# KiCad board PC110.kicad_pcb (continued)
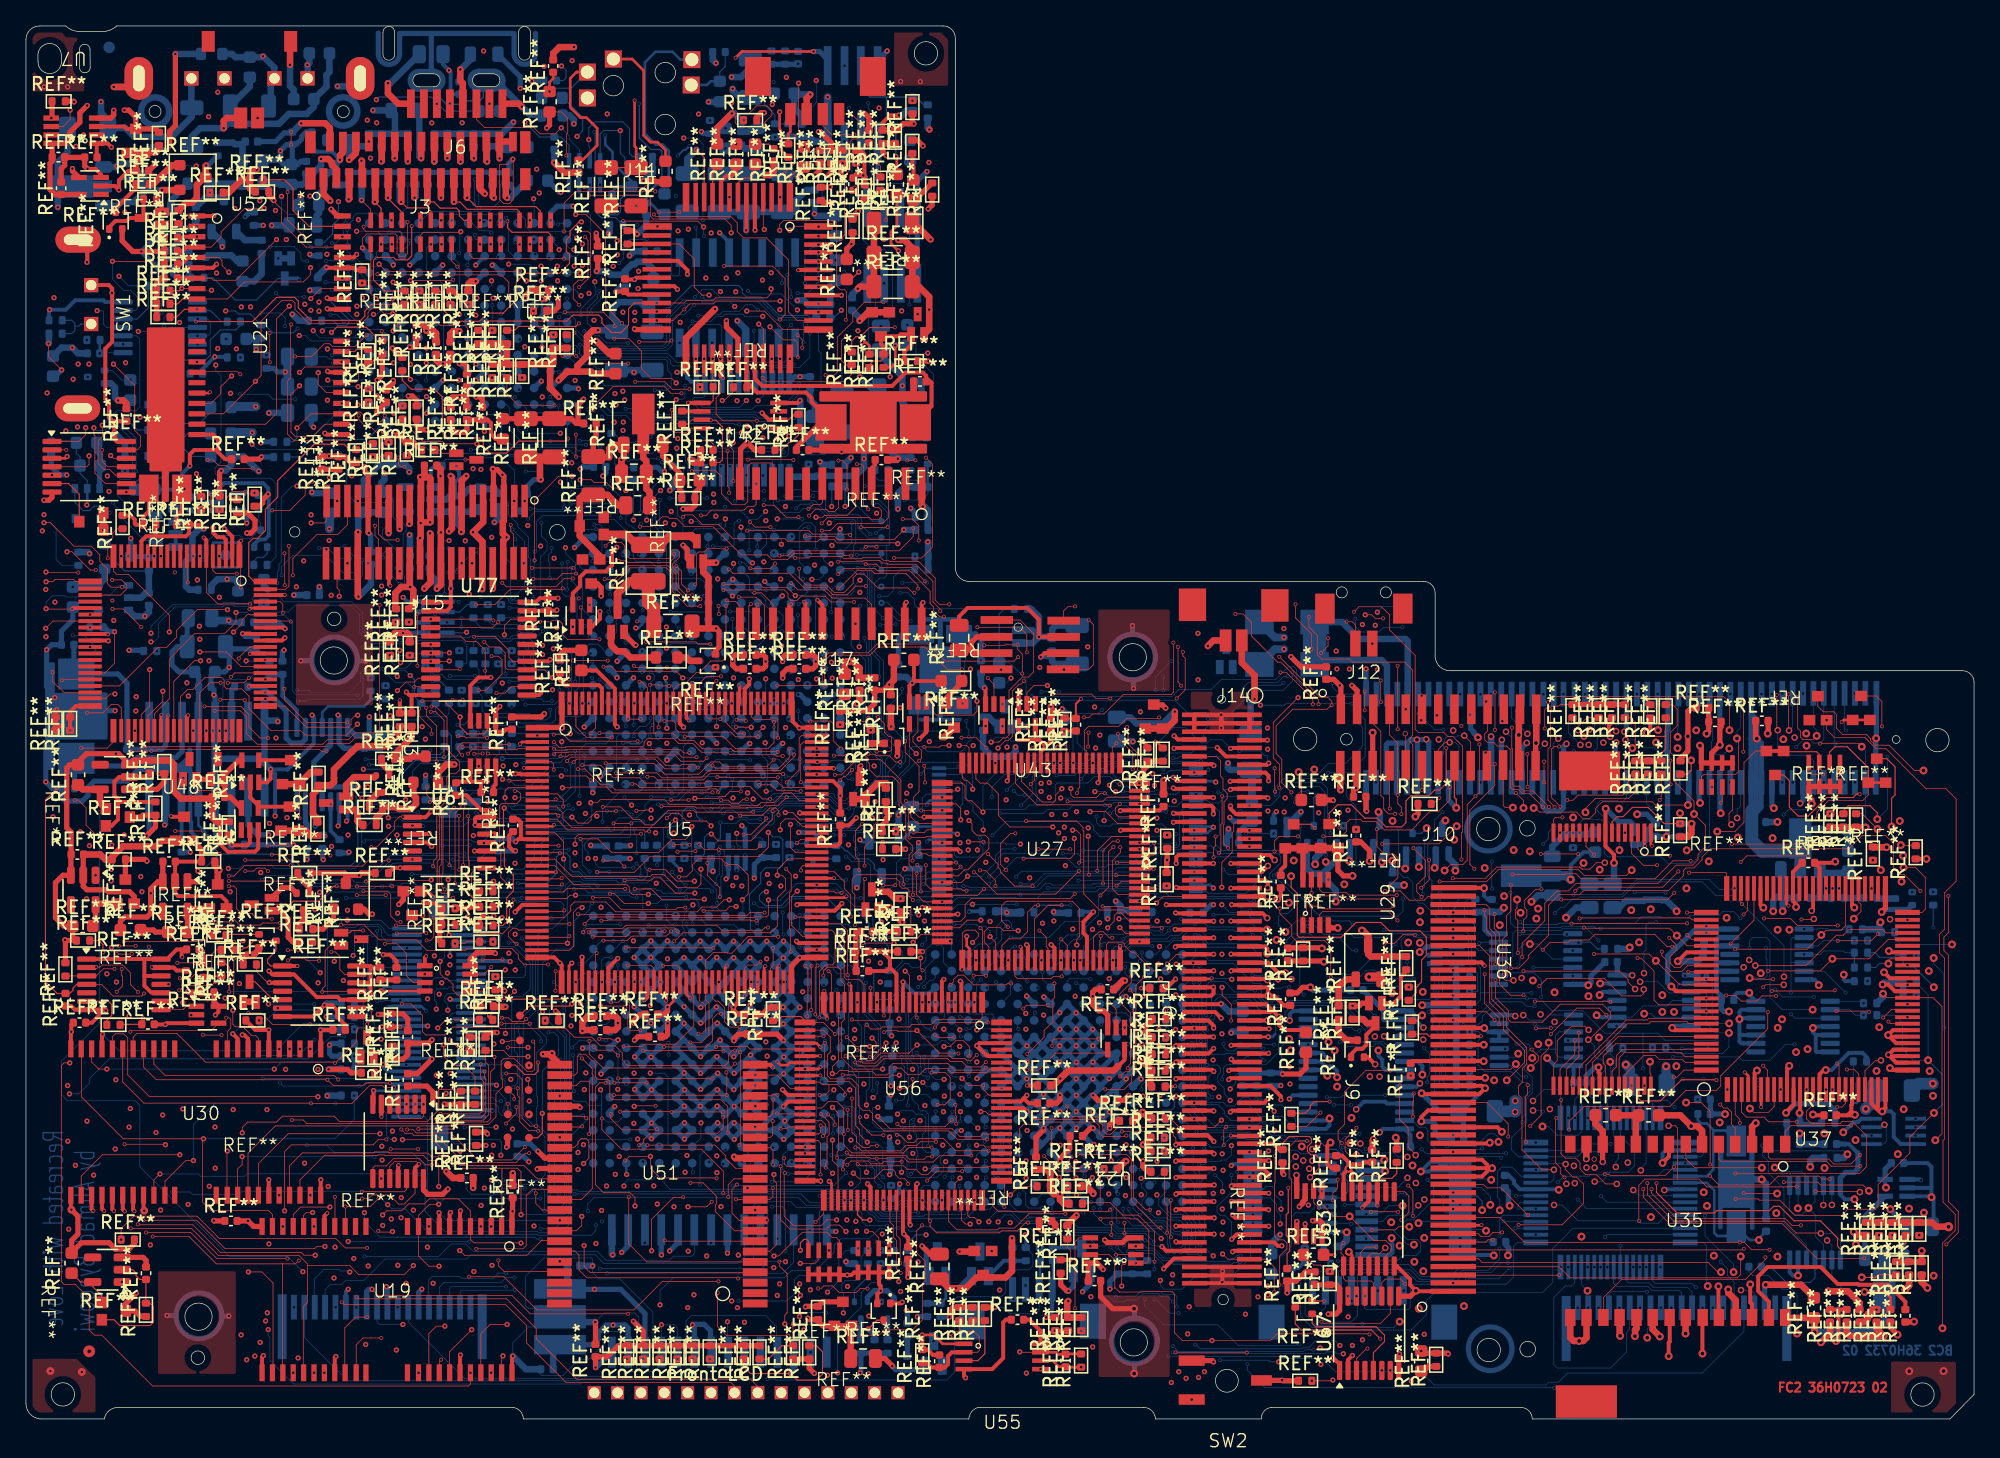
[diagram p0: board, top side]
## Routing (per net, layer and track width the routed paths; a pad name or vN(x,y) marks a point on that pad's centre or on a via; arc(x,y) is an arc through that point) (continued)
  BC2 w0.08: v3(112.16,16.09) 112.16,16.79 111.77,17.19 U14.5
KB_RESET#: length 228.2
  FC2 w0.05: v2(40.21,35.02) 38.36,35.02 37.92,35.46 37.92,35.77 37.43,36.26 33.99,36.26 33.82,36.09 30.9,36.09 30.07,36.92 27.21,36.92 26.05,38.08 v2(24.27,38.08) ; v2(103.33,5.42) 103.25,5.42 102.48,4.66 U67.3 ; U53.4 103.44,12.58 103.59,12.73 104.25,12.73 v5(104.7,13.18) ; v2(46.16,31.76) 46.1,31.82 v1(44.24,31.82) ; v2(104.1,16.45) 104.09,16.46
  FC2 w0.08: v2(21.08,46.29) 21.08,46.3 REF**#256.1 21.08,48.99
  FC2 w0.3: 104.09,16.46 U53.10
  FC2 w0.5: REF**#256.1 REF**#256.3 ; REF**#234.2 21.94,49.85 21.08,48.99
  FC1 w0.05: v2(21.08,46.29) 21.08,43.86 20.11,42.89 20.11,39.96 20.93,39.14 20.93,39.1 21.95,38.08 v2(24.27,38.08) ; v1(88.32,11.11) 87.16,11.11 86.26,12.01 86.26,14.27 85.7,14.83 80.46,14.83 79.44,15.85 69.79,15.85 69.05,16.59 v2(69.05,16.86) 69.05,17.06 69.8,17.81 69.8,19.67 68.72,20.75 68.72,22.17 68.29,22.6 68.29,23.67 67.83,24.13 67.83,26.75 67.49,27.09 67.49,29.65 67.25,29.89 v1(67.25,30.82) ; v2(104.1,16.45) 104.1,16.05 104.24,15.91 104.24,13.71 104.7,13.25 v5(104.7,13.18) 104.7,7.2 103.33,5.83 v2(103.33,5.42) ; v1(44.24,31.82) 44.24,33.05 43.1,34.19 40.46,34.19 40.21,34.44 v2(40.21,35.02) ; v2(46.16,31.76) 46.16,32.98 v2(46.87,33.69)
  IC3 w0.05: v3(130.01,12.58) 130.01,12.33 128.43,10.75 107.18,10.75 104.75,13.18 v5(104.7,13.18) 104.54,13.18 103.1,11.74 100.91,11.74 95.95,6.78 90.4,6.78 88.93,8.25 88.93,10.89 88.71,11.11 v1(88.32,11.11) ; v1(67.25,30.82) 62.91,30.82 62.73,31 45.06,31 v1(44.24,31.82)
  BC1 w0.05: v11(129.22,21.96) 129.22,24.18 v11(128.76,24.63) ; v3(130.01,12.58) 129.11,12.58 128.3,13.39 128.3,19.82 127.92,20.2 v11(127.8,20.2) ; v11(65.89,40.85) 65.88,40.85 65.48,40.45 65.48,39.13 65.29,38.94 65.29,37.57 66.68,36.18 v11(66.68,32.64) ; v11(58.92,55) 58.92,54.14 59.37,53.69 59.79,53.69 60.96,52.52 63.2,52.52 63.48,52.24 64.11,52.24 64.68,52.81 67.9,52.81 68.44,52.27 68.44,52.22 68.64,52.02 68.69,52.02 70.1,50.61 70.1,44.41 69.63,43.94 v11(68.26,43.94)
  BC2 w0.05: v11(66.68,32.64) 67.34,32.64 67.5,32.48 67.5,31.59 67.25,31.34 v1(67.25,30.82) ; v11(129.22,21.96) 129.22,20.42 129,20.2 v11(127.8,20.2) ; v11(65.89,40.85) 66.58,40.85 67.06,41.33 67.06,42.86 67.41,43.21 68.04,43.21 68.26,43.43 v11(68.26,43.94)
KB_RXD: length 33.7
  IC4 w0.05: v3(106.94,12.11) 118.78,12.11 123.17,16.5 123.17,19.55 v5(123.38,19.76)
  BC1 w0.05: v5(123.38,19.76) 123.31,19.83 123.31,23.19 v11(123.3,23.2) ; v11(102.09,15.02) 102.25,14.86 102.25,13.29 103.43,12.11 v3(106.94,12.11)
  BC2 w0.05: U8.9 102.03,15.09 v11(102.09,15.02)
KB_SCLK: length 162.2
  FC2 w0.05: v1(32.61,58.41) 32.59,58.39 v2(31.18,58.39)
  FC1 w0.05: v2(31.18,58.39) 29.38,58.39 29.02,58.74 28.14,58.74 v2(28.03,58.85)
  IC1 w0.05: 89.56,20.24 89.37,20.43 84.4,20.43 84.11,20.14 84.11,19.83 83.78,19.5 79.47,19.5 78.25,20.71 72.9,20.71 69.9,23.71 68.99,23.71 ; 89.56,20.24 89.53,20.27 ; 89.56,20.24 90.03,20.24 90.2,20.07 92.28,20.07 92.4,20.19 93.24,20.19 93.97,19.46 93.97,18.98 94.6,18.35 97.17,18.35 97.74,17.78 104.88,17.78 106.05,18.95 106.91,18.95 107.28,18.58 108.39,18.58 108.7,18.9 111.05,18.9 ; 111.05,18.9 111.02,18.9 ; 111.05,18.9 116.03,18.9 116.83,19.7 117.82,19.7 118.46,19.06 119.71,19.06 119.77,19 121.9,19 122.32,19.42 v5(122.46,19.42) ; v1(27.41,21.01) 30.58,21.01 32.62,23.05 44.56,23.05 47.8,19.81 48.48,19.81 49.69,21.02 58.6,21.02 60.22,22.64 66.08,22.64 66.48,23.04 66.48,23.64 66.85,24.01 67.73,24.01 68.03,23.71 68.99,23.71 ; 68.99,23.71 68.97,23.71
  IC2 w0.05: v1(27.41,21.01) 26.76,21.01 26.4,21.38 26.4,25.47 26.69,25.76 30.14,25.76 32.79,28.41 32.79,30.18 32.12,30.85 32.12,31.85 31.99,31.98 31.52,31.98 31.41,31.87 30.92,31.87 30.58,32.21 30.58,36.58 31.98,37.98 34.28,37.98 34.66,38.36 34.66,39.06 33.61,40.11 33.61,53 32.73,53.88 32.73,58.29 v1(32.61,58.41)
  BC2 w0.05: v5(122.46,19.42) 122.46,19.84 122.67,20.05 122.67,21.4 122.3,21.77 U31.9
KB_SCRLED#: length 100.5
  FC2 w0.2: U5.53 49.36,32.28 v2(49.31,32.23)
  FC1 w0.05: v2(49.31,32.23) 49,31.92 49,29.9 49.65,29.25 49.65,24.55 49.45,24.35 49.45,23.31 49.63,23.13 49.63,17.19 49.91,16.91 v1(49.91,16.35)
  IC3 w0.05: v1(49.91,16.35) 50.97,17.41 73.58,17.41 75.27,19.1 89.39,19.1 90.29,20 92.38,20 92.64,20.26 93.27,20.26 95.19,18.34 96.06,18.34 96.32,18.08 96.99,18.08 97.33,17.74 107.67,17.74 107.91,17.98 115.03,17.98 117.22,15.79 121.95,15.79 v5(123.8,17.64)
  BC2 w0.05: 127.79,17.2 124.24,17.2 v5(123.8,17.64)
KB_SPKDN: length 132.9
  FC2 w0.05: v2(63.28,23.83) 63.3,23.81 v2(63.3,22.26) ; v2(61.22,22.6) 61.22,22.12 61.06,21.96 U56.43
  FC1 w0.05: v2(63.28,23.83) 63.63,23.83 64.54,24.74 v1(64.54,25.81) ; v2(61.22,22.6) 61.9,22.6 62.24,22.26 v2(63.3,22.26)
  IC2 w0.05: v1(64.54,25.81) 65.27,25.81 66.57,24.51 69.21,24.51 70.05,25.35 71,25.35 71.55,24.8 71.55,23.57 71.94,23.18 79.61,23.18 83.34,19.45 88.5,19.45 89.63,18.32 89.63,15.3 91.59,13.34 93.2,13.34 94.05,14.19 94.05,14.43 95.25,15.63 96.13,15.63 v1(96.67,16.17)
  IC4 w0.05: v1(63.74,52.68) 63.14,52.68 62.1,51.64 62.1,42.28 64.99,39.39 64.99,36.35 65.73,35.61 66.24,35.61 66.42,35.43 66.42,33.3 64.51,31.39 64.51,25.84 v1(64.54,25.81)
  BC1 w0.05: v11(97.82,6.85) 98.36,6.85 98.88,7.37 98.88,13.45 98.53,13.8 98,13.8 97.15,14.65 97.15,15.69 v1(96.67,16.17) ; 64.55,25.82 v1(64.54,25.81)
  BC2 w0.05: U31.30 119.17,14.7 117.6,13.13 117.6,10.53 116.83,9.76 108.54,9.76 107.85,9.07 107.85,8.01 106.69,6.85 v11(97.82,6.85) ; v1(96.67,16.17) 96.67,16.82 96.18,17.31 96.18,17.73 96.01,17.9 95.5,17.9 95.29,17.69 U8.16 ; 62.72,53.99 63.24,53.47 63.25,53.47 63.25,53.17 v1(63.74,52.68)
KB_SPKUP: length 229.5
  FC2 w0.05: v2(58.45,18.96) 58.4,18.91 58.4,15.63 59.14,14.89 61.24,14.89 61.69,15.34 v1(62.44,15.34) ; v2(61.2,18.84) 61.2,21.27 61.01,21.46 U56.44
  FC1 w0.05: v2(58.45,18.96) 61.08,18.96 v2(61.2,18.84)
  IC1 w0.05: v1(74.88,15.19) 74.88,15.25 74.27,15.86 74.2,15.86 74.19,15.87 62.97,15.87 v1(62.44,15.34)
  IC3 w0.05: v1(62.44,15.34) 60.61,15.34 60.43,15.16 47,15.16 44.34,12.5 37.53,12.5 36.44,11.41 35.6,11.41 34.61,12.4 33.29,12.4 32.83,12.86 23.17,12.86 22.18,11.87 21.66,11.87 21.66,11.68 v1(21.33,11.35)
  BC1 w0.05: v11(93.5,12.08) 93.5,4.8 v11(94.08,4.22) ; v11(5.67,46.77) 7.51,46.77 9.08,48.34 9.08,57.71 8.84,57.95 8.84,64.03 11.03,66.22 v11(13.63,66.22) ; v11(117.72,2.38) 117.72,12.47 118.6,13.35 122.19,13.35 122.55,13.71 126.31,13.71 v11(127.8,15.2)
  BC2 w0.05: v11(93.5,12.08) 93.04,12.08 92.89,11.93 88.33,11.93 88.04,12.22 87.56,12.22 86.81,12.97 85.58,12.97 84.62,13.93 83.77,13.93 83.34,14.36 80.34,14.36 79.64,15.06 76.55,15.06 75.89,15.72 75.41,15.72 v1(74.88,15.19) ; v11(117.72,2.38) 117.68,2.42 95.42,2.42 94.08,3.76 v11(94.08,4.22) ; v11(5.67,46.77) 5.67,30.51 2.75,27.59 2.75,24.97 3.2,24.52 8.41,24.52 8.77,24.16 8.77,19.43 15.69,12.51 20.17,12.51 v1(21.33,11.35) ; REF**#796.1 17.93,69.18 18.08,69.03 REF**#613.3 17.94,68.49 17.28,67.83 16.7,67.83 16.44,68.09 14.44,68.09 13.63,67.28 v11(13.63,66.22)
KB_SRDY#: length 136.1
  FC2 w0.05: v1(32.62,59.04) 32.62,59.04 v2(31.18,59.04)
  FC1 w0.05: v2(29.56,58.85) 29.95,58.85 30.14,59.04 v2(31.18,59.04)
  IC1 w0.05: 58.57,36.44 58.68,36.55 ; 58.57,36.44 58.88,36.75 58.88,37.03 58.94,37.09 58.94,41.01 59.16,41.23 60.58,41.23 64.63,37.19 66.13,37.19 66.61,37.67 69.06,37.67 72.03,34.7 88.89,34.7 89.25,35.06 95.15,35.06 95.96,34.25 95.96,33.74 96.18,33.52 97.95,33.52 98.91,32.56 103.44,32.56 105.39,30.61 105.39,28.95 106.05,28.29 109.16,28.29 112.12,31.25 113.85,31.25 114.35,31.75 117.29,31.75 118.99,30.05 118.99,29.44 119.67,28.76 120.93,28.76 121.16,28.99 v3(121.16,29.4) ; 58.57,36.44 44.16,36.44 43.21,37.38 38.77,37.38 38.07,38.08 34.71,38.08 34.1,38.69 v1(33.99,38.69)
  IC2 w0.05: v1(32.62,59.04) 32.06,59.04 31.67,58.65 31.67,57.67 32.06,57.28 32.06,50.51 33.21,49.36 33.21,39.47 v1(33.99,38.69)
  BC2 w0.05: 121.79,23.2 121.79,24.61 122.21,25.03 122.21,27.03 122.42,27.24 122.42,27.74 122.03,28.13 121.32,28.13 121.16,28.29 v3(121.16,29.4)
KB_TP139: length 57.5
  BC1 w0.05: v11(121.63,14.03) 120.71,14.03 120.25,14.49 118.55,14.49 117.21,13.15 117.21,3.98 116.15,2.92 v1(106.71,2.92) 106.25,2.46 95.94,2.46 94.41,3.99 94.41,8.99 93.92,9.48 93.92,15.07 94.18,15.33 94.18,16.06 v11(94.51,16.39)
  BC2 w0.05: v11(121.63,14.03) 121.8,14.2 U31.31
KB_TXD: length 19.3
  BC1 w0.05: v11(110.47,16.54) 110.47,17.14 111.33,18 117.39,18 117.63,18.24 v11(117.99,18.24)
  BC2 w0.05: U31.10 122.8,21.83 123.89,20.74 123.88,20.73 123.88,19.49 123.41,19.02 121.77,19.02 121.76,19.01 121.72,19.01 121.52,18.81 120.51,18.81 120.41,18.71 118.46,18.71 v11(117.99,18.24) ; 110.53,16.62 110.47,16.56 v11(110.47,16.54)
KB_Xin: length 9.5
  BC2 w0.2: 131.75,21.41 130.93,22.23 130.01,22.23 ; 130.01,22.23 129.96,22.18 129.96,19.21 129.45,18.7 U31.22 ; 130.01,22.23 129.47,22.77 129.03,22.77 128.78,23.03 128.78,23.5
KB_Xout: length 10.9
  BC2 w0.2: U31.23 129.46,18.2 130.04,17.62 130.04,14.34 130.28,14.1 130.98,14.1 130.99,14.11 131.05,14.11 131.75,14.81 132.77,13.79 v3(133.48,13.79) 133.48,13.92 134.03,14.47
KBCCS#: length 100.5
  FC1 w0.05: 66,16.82 66.79,16.03 66.79,13.77 67,13.56 67,12.82 64.47,10.29 64.45,10.29 64.45,7.76 63.55,6.86 v1(59.92,6.86)
  IC2 w0.05: v5(120.2,19.37) 120.2,17.82 113.19,10.81 94.67,10.81 93.63,9.77 93.63,8.92 92.7,7.99 91.42,7.99 89.81,9.6 86.86,9.6 86.36,10.1 86.36,13.72 85.53,14.55 80.84,14.55 79.47,15.92 61.79,15.92 61.5,15.63 61.5,10.03 61.41,9.94 61.41,9.57 61.48,9.5 61.48,7.6 60.74,6.86 v1(59.92,6.86)
  BC1 w0.05: v5(120.2,19.37) 119.83,19.37 119.68,19.52 119.68,20.3 120.8,21.42 v11(120.8,23.2)
  vias: v2(66.05,16.86)
LA17: length 116
  BC1 w0.05: 41.8,47.64 41.81,47.65 ; v11(21.66,21.09) 21.63,21.12 v11(21.63,42.08) ; v11(37.54,47.3) 37.54,46.45 36.77,45.68 36.35,45.68 35.88,45.21 35.88,44.07 v11(35.58,43.77) ; v11(73.22,17.35) v11(70.68,17.35)
  BC1 w0.1: v11(46.01,52.1) 46,52.1 41.8,47.9 v11(41.8,47.3)
  BC2 w0.05: v11(70.68,17.35) 70.68,16.59 70.28,16.19 69.81,16.19 68.99,17.01 67.54,17.01 66.9,16.37 66.21,16.37 65.06,17.52 42.57,17.52 42.44,17.65 42.11,17.65 41.96,17.5 41.96,15.1 41.2,14.34 39.51,14.34 39.4,14.45 32.27,14.45 30.74,15.98 30.74,19.53 29.74,20.53 23.75,20.53 23.19,21.09 v11(21.66,21.09) ; v11(73.22,17.35) 73.23,17.35 U25.A4 ; v11(37.54,47.3) v11(41.8,47.3) ; v11(21.63,42.08) 24.61,42.08 25.37,41.32 25.98,41.32 28.08,43.42 33.28,43.42 33.41,43.29 35.1,43.29 v11(35.58,43.77)
  BC2 w0.1: v11(46.01,52.1) 46.51,52.1 46.58,52.03 47.28,52.03 47.48,52.23 47.48,52.72
LA18: length 60.6
  IC2 w0.05: 49.17,38.02 49.15,38 ; 49.17,38.02 49.4,38.25 49.4,41.95 48.5,42.85 v1(48.5,45.17) ; 49.17,38.02 48.85,37.7 48.85,22.33 50.07,21.11 55.48,21.11 55.65,20.94 66.72,20.94 66.74,20.96 66.77,20.96 67.15,21.34
  BC1 w0.05: v11(47.08,50.78) 47.08,45.92 47.83,45.17 v1(48.5,45.17) ; 67.15,21.34 67.15,20.3 67.52,19.93 69.49,19.93 69.85,20.29 74.77,20.29 v11(75.18,19.88)
  BC2 w0.05: v11(47.08,50.78) 46.47,50.78 46.21,50.52 46.21,50.18 ; v11(75.18,19.88) 75.11,19.81 75.11,19.3
LA19: length 71.6
  BC1 w0.05: v11(43.27,16.03) 43.24,16.06 v11(41.25,16.06) ; v11(43.61,39.75) 43.36,40 43.36,41.56 v11(43.97,42.17) ; v11(44.93,42.16) 45.23,42.46 45.23,45.63 45.47,45.87 45.47,48.35 v11(46.01,48.89)
  BC2 w0.05: v11(44.93,42.16) 44.92,42.17 v11(43.97,42.17) ; v11(43.61,39.75) 43.43,39.57 43.43,39.29 42.99,38.85 42.71,38.85 42.23,38.37 42.23,36.48 41.96,36.21 40.86,36.21 39.77,35.12 39.77,32.07 40.32,31.52 40.32,30.59 41.47,29.44 41.47,16.6 41.25,16.38 v11(41.25,16.06) ; U25.A3 72.58,15.99 72.34,15.75 69.26,15.75 69.14,15.63 65.9,15.63 65.36,16.17 65.26,16.17 64.65,16.78 62.2,16.78 61.89,16.47 60.09,16.47 59.51,17.05 43.74,17.05 43.27,16.58 v11(43.27,16.03)
LA20: length 61
  IC2 w0.05: v1(48.14,46.3) 48.14,45.51 48.01,45.38 48.01,42.84 49.15,41.7 49.15,38.58 48.69,38.12 48.69,22.16 49.94,20.91 55.27,20.91 55.43,20.75 67.49,20.75 67.89,21.15 70.56,21.15 v1(70.61,21.1)
  BC1 w0.05: v1(48.14,46.3) 47.83,46.3 47.75,46.38 47.75,50.66 v11(47.87,50.78) ; v11(76.47,22.09) 75.71,22.09 75.39,21.77 75.39,21.47 75.57,21.29 75.57,20.99 75.12,20.54 71.17,20.54 v1(70.61,21.1)
  BC2 w0.05: v11(76.47,22.09) 76.47,21.93 76.38,21.84 ; U2.D14 47.48,51.17 v11(47.87,50.78)
LA21: length 107.8
  BC1 w0.05: v11(61.12,17.21) 61.12,15.51 61.24,15.39 61.24,5.14 60.91,4.81 60.12,4.81 57.01,7.92 38.3,7.92 36.63,9.59 36.63,18.26 v11(36.75,18.38) ; v11(38.19,37.03) 38.19,39.22 37.85,39.56 37.7,39.56 37.48,39.78 v11(37.48,42) ; v11(46.19,45.52) 46.19,47.47 46.89,48.17 46.89,50.12 46.78,50.23 46.78,50.94 46.96,51.12 47.86,51.12 48.67,51.93 v11(48.67,52.48)
  BC2 w0.05: 71.3,16.74 70.52,15.95 69.64,15.95 68.76,16.83 67.61,16.83 66.97,16.19 66.15,16.19 64.98,17.36 61.45,17.36 61.3,17.21 v11(61.12,17.21) ; v11(36.75,18.38) 39.55,18.38 39.98,18.81 39.98,21.73 38.33,23.38 38.33,25.07 38.24,25.16 38.24,28.97 38.3,29.03 38.3,30.48 39.24,31.42 39.24,35.98 v11(38.19,37.03) ; v11(37.48,42) 38.83,42 39.69,42.86 39.69,44.33 40.44,45.08 45.75,45.08 v11(46.19,45.52) ; 48.75,52.72 48.67,52.64 v11(48.67,52.48)
LA22: length 82.8
  IC2 w0.05: v1(43.29,43.19) 43.29,42.66 44.76,41.19 44.76,29.28 43.89,28.41 43.89,18.05 46.89,15.05 49.06,15.05 50.29,13.82 50.29,7.55 51.12,6.72 56.27,6.72 57.87,8.32 v1(57.87,9.52)
  IC3 w0.05: v1(57.87,9.52) 58.27,9.12 64.44,9.12 64.92,8.64 v1(64.92,7.93)
  BC1 w0.05: v1(64.92,7.93) 65.94,7.93 66.45,8.44 66.45,12.09 66.6,12.24 66.6,14.49 67.81,15.7 68.05,15.7 69.71,17.36 v11(70.08,17.36) ; v11(47.52,46.05) 47.39,46.18 47.39,49.43 v11(47.47,49.51)
  BC2 w0.05: v11(47.52,46.05) 46.84,46.05 46.58,45.79 46.58,44.93 46.47,44.82 43.54,44.82 43.03,44.31 43.03,43.93 43.29,43.67 v1(43.29,43.19) ; v11(47.47,49.51) 47.48,49.52 47.48,50.18 ; v11(70.08,17.36) 70.04,17.32 U25.A1
LA23: length 85.8
  BC1 w0.05: v11(42.26,17.34) 41.04,17.34 v11(41.03,17.35) ; v11(68.7,15.9) 69.51,16.71 73.75,16.71 74.25,17.21 74.25,18.84 74.63,19.22 v11(75.8,19.22) ; 40.66,25.59 v11(40.75,25.59) 39.32,25.59 39.22,25.49 37.9,25.49 37.83,25.56 v11(37.53,25.56) ; v11(44.41,46.02) 43.74,45.35 42.58,45.35 41.89,44.66 41.89,43.98 v11(41.79,43.88) ; v11(37.18,36.71) 37.18,41.53 v11(37.14,41.57)
  BC2 w0.05: v11(42.26,17.34) 59.71,17.34 60.39,16.66 61.82,16.66 62.09,16.93 64.79,16.93 65.4,16.32 65.46,16.32 65.99,15.79 68.11,15.79 68.22,15.9 v11(68.7,15.9) ; v11(40.75,25.59) 40.72,25.56 40.72,17.66 v11(41.03,17.35) ; v11(37.53,25.56) 37.87,25.9 37.87,28.1 37.62,28.35 37.62,30.35 39.04,31.77 39.04,35.39 37.72,36.71 v11(37.18,36.71) ; v11(41.79,43.88) 40.75,43.88 40.25,43.38 40.25,42.4 39.43,41.57 v11(37.14,41.57) ; v11(75.8,19.22) 75.82,19.24 75.82,21.13 75.11,21.84 ; v11(44.41,46.02) 44.41,46.97 45.77,48.33 47.2,48.33 47.21,48.34 47.26,48.34 47.48,48.56 47.48,48.91
LCD_24: length 11.8
  FC2 w0.5: v1(34.51,97.15) 34.46,97.2 J3.24
  FC1 w0.05: v1(34.51,97.15) 34.77,96.89 34.77,93.99 35.09,93.67 36.78,93.67 37.42,93.03 39.09,93.03 39.75,92.37 v2(40.42,92.37)
  BC2 w0.05: v1(34.51,97.15) 34.5,97.16
  BC2 w0.5: 34.5,97.16 REF**#475.1
LCD_26: length 4.3
  FC2 w0.5: J3.26 35.46,96.96 v1(35.52,96.9)
  BC2 w0.5: v1(35.52,96.9) 35.52,98.07 REF**#525.1 37.02,98.08 REF**#495.2
LCD_B0: length 8.3
  FC2 w0.05: v1(25.85,93.92) 26.56,93.22 REF**#84.4
  FC1 w0.05: v1(25.85,93.92) 25.85,95.14 25.28,95.71 25.28,97.31 v2(26.41,98.44)
  BC2 w0.05: v1(25.85,93.92) 25.86,93.93
  BC2 w0.5: 25.86,93.93 REF**#697.1
LCD_B1: length 4.8
  FC2 w0.08: v1(26.87,93.79) 27.36,93.31 REF**#84.3
  FC2 w0.5: v1(26.87,93.79) 26.91,93.83 J3.9
  BC2 w0.5: v1(26.87,93.79) 26.87,95.1 REF**#849.1
LCD_B2: length 7.6
  FC2 w0.5: J3.10 27.41,96.96 v1(27.36,96.91)
  FC1 w0.05: v2(28.16,92.37) 27.36,93.17 v1(27.36,96.91)
  BC2 w0.05: v1(27.36,96.91) 27.37,96.92
  BC2 w0.5: 27.37,96.92 REF**#645.1
LCD_B3: length 4.7
  FC2 w0.08: v1(27.89,94.11) 27.89,94.06 28.96,93 28.96,92.37
  FC2 w0.5: J3.11 27.91,94.13 v1(27.89,94.11)
  BC2 w0.5: v1(27.89,94.11) 27.89,95.09 REF**#803.1
LCD_B4: length 7.2
  FC2 w0.08: REF**#255.4 33.72,92.37 33.38,92.71 33.38,93.09 33.16,93.31 31.91,93.31 31.43,93.79 v1(30.95,93.79)
  FC2 w0.5: v1(30.95,93.79) 30.91,93.83 J3.17
  BC2 w0.5: v1(30.95,93.79) REF**#781.1
LCD_DCLK: length 4.5
  FC2 w0.5: J3.29 36.96,94.21 v1(37.06,94.11)
  BC2 w0.08: 37.72,94.56 37.72,94.52
  BC2 w0.4: REF**#601.2 37.72,94.56
  BC2 w0.5: REF**#777.2 37.3,94.11 v1(37.06,94.11)
LCD_DE: length 9.9
  FC2 w0.5: J3.27 35.96,94.19 v1(36.04,94.11)
  BC1 w0.05: v1(36.04,94.11) 36.06,94.13 36.06,95.53 36.99,96.46 36.99,100.28 v11(36.48,100.79)
  BC2 w0.4: 35.9,95.06 35.9,94.25 v1(36.04,94.11)
LCD_EN: length 3.8
  FC2 w0.5: J3.5 24.91,94.05 v1(24.85,93.99)
  BC2 w0.5: REF**#764.1 24.29,95.07 24.33,95.11 REF**#632.1 v1(24.85,93.99)
LCD_G0: length 10
  FC2 w0.5: v1(31.45,96.9) 31.46,96.91 J3.18
  FC1 w0.05: v1(31.45,96.9) 31.45,93.76 32.11,93.1 33.03,93.1 33.5,92.63 34.71,92.63 v2(34.97,92.37)
  BC2 w0.05: v1(31.45,96.9) 31.46,96.91
  BC2 w0.5: 31.46,96.91 REF**#826.1
LCD_G1: length 7.4
  FC2 w0.5: v1(31.96,94.11) J3.19
  FC1 w0.05: v2(35.77,92.37) 35.16,92.98 33.49,92.98 33.11,93.36 32.14,93.36 31.96,93.54 v1(31.96,94.11)
  BC2 w0.05: v1(31.96,94.11) 31.95,94.12
  BC2 w0.5: 31.95,94.12 REF**#792.1
LCD_G2: length 9.8
  FC2 w0.5: v1(32.46,97.16) J3.20
  FC1 w0.05: v2(36.57,92.37) 36.57,92.49 35.82,93.23 33.9,93.23 33.45,93.68 33.45,96.17 v1(32.46,97.16)
  BC2 w0.05: v1(32.46,97.16) 32.48,97.18
  BC2 w0.5: 32.48,97.18 REF**#731.1
LCD_G3: length 8.6
  FC2 w0.5: v1(28.4,97.15) 28.41,97.16 J3.12
  FC1 w0.05: v2(30.39,92.37) 30.18,92.58 29.73,92.58 29.44,92.87 28.65,92.87 28.4,93.12 v1(28.4,97.15)
  BC2 w0.05: v1(28.4,97.15) 28.41,97.16
  BC2 w0.5: 28.41,97.16 REF**#544.1
LCD_G4: length 6.5
  FC2 w0.08: v1(28.91,93.79) 29.37,93.33 30.93,93.33 31.19,93.08 REF**#312.3
  FC2 w0.5: v1(28.91,93.79) J3.13
  BC2 w0.5: REF**#456.1 28.79,95.1 28.79,93.91 v1(28.91,93.79)
LCD_NC: length 4.7
  FC2 w0.5: v1(24.89,97.03) 25.41,97.55 J3.6
  BC2 w0.5: 24.89,98.07 25.16,98.07 25.17,98.08 REF**#696.1 ; 24.89,98.07 24.89,98.48 REF**#547.1 ; 24.89,98.07 v1(24.89,97.03)
LCD_O_24: length 22.3
  FC2 w0.05: v2(29.39,92.25) 29.39,89.81 29.18,89.6 28.8,89.6 28.58,89.82 28.58,91.18 28.44,91.32 26.26,91.32 25.92,90.98 v1(25.92,90.25)
  FC2 w0.08: REF**#390.8 40.42,91.26 40.22,91.45 37.44,91.45 37.09,91.8 v2(37.09,92.29)
  FC1 w0.05: v2(29.39,92.25) 29.9,92.25 30.29,91.86 32.77,91.86 33.16,92.25 34.57,92.25 34.87,91.95 36.75,91.95 v2(37.09,92.29)
  BC2 w0.05: U23.A3 26.44,89.73
  BC2 w0.4: 26.44,89.73 v1(25.92,90.25)
LCD_O_B0: length 13
  FC2 w0.05: v1(26.96,86.34) 26.56,86.74 26.56,90.52 REF**#84.5
  BC1 w0.05: v1(26.96,86.34) 26.96,85.89 26.34,85.27 26.34,83.49 26.84,82.99 29.69,82.99 29.85,83.15 31.22,83.15 v11(31.47,83.4)
  BC2 w0.05: v11(31.47,83.4) 31.48,83.4 U23.E8
LCD_O_B1: length 17.9
  FC1 w0.05: v2(27.36,90.52) 27.08,90.52 25.79,89.23 21.59,89.23 21.05,88.69 v1(21.05,83.49)
  BC2 w0.05: v1(21.05,83.49) 21.54,83.49 21.96,83.07 25.66,83.07 25.95,83.36 U23.A8
LCD_O_B2: length 17.8
  FC1 w0.05: v2(28.18,90.52) 27.77,90.11 27.09,90.11 25.2,88.22 22.87,88.22 22.57,87.92 v1(22.57,86.07)
  BC1 w0.05: v11(23.07,87.6) 22.72,87.6 22.57,87.45 v1(22.57,86.07) ; v11(27.78,84.6) 27.78,87.01 27.19,87.6 v11(24.83,87.6)
  BC2 w0.05: v11(24.83,87.6) v11(23.07,87.6)
LCD_O_B3: length 28.5
  FC2 w0.05: v2(26.01,91.88) 26.01,91.69 26.17,91.53 28.79,91.53 28.96,91.37 28.96,90.52
  FC1 w0.05: v2(26.01,91.88) 22.04,91.88 20.79,93.13 v1(19.22,93.13)
  BC1 w0.05: v11(23.12,89.23) 21.67,89.23 v11(21.66,89.22) ; v11(24.73,86.7) 25.35,87.32 v11(25.35,87.33) ; v1(19.22,93.13) 19.76,92.59 19.76,91.99 18.8,91.03 v11(18.8,90.34)
  BC2 w0.05: U23.A7 25.49,84.53 24.73,85.29 v11(24.73,86.7) ; v11(18.8,90.34) 20.67,90.34 21.18,89.83 21.18,89.39 21.35,89.22 v11(21.66,89.22) ; v11(25.35,87.33) 25.57,87.55 25.57,89 25.32,89.25 23.14,89.25 v11(23.12,89.23)
LCD_O_B4: length 26.8
  FC2 w0.05: v2(41.45,89.42) 34.45,89.42 34.17,89.71 REF**#255.5
  FC1 w0.05: v2(41.45,89.42) 41.48,89.39 43.1,89.39 43.35,89.14 43.35,88.1 v1(43.81,87.64)
  BC1 w0.05: v11(31.68,84.47) 35.08,84.47 36.32,85.71 37.21,85.71 37.74,85.18 42.02,85.18 42.12,85.08 v11(42.75,85.08)
  BC2 w0.05: v11(42.75,85.08) 42.75,85.55 43.89,86.69 43.89,87.21 43.81,87.29 v1(43.81,87.64)
LCD_O_G0: length 14.5
  FC1 w0.05: v2(34.97,90.52) 34.21,89.76 31.28,89.76 30.82,89.3 30.82,87 30.37,86.55 29.99,86.55 29.72,86.82 25.73,86.82 25.49,86.58 v1(25.49,85.75)
  BC2 w0.05: U23.A6 25.54,85.8 v1(25.49,85.75)
LCD_O_G1: length 13.7
  FC1 w0.05: v2(35.79,90.52) 34.62,89.35 31.63,89.35 31.18,88.9 31.18,86.89 30.47,86.18 29.44,86.18 28.97,85.71 27.35,85.71 27.35,85.7 v1(26.77,85.12)
  BC2 w0.05: U23.B6 27.03,85.12 v1(26.77,85.12)
LCD_O_G2: length 20.5
  FC1 w0.05: v2(36.57,90.52) 36.57,88.74 37.13,88.17 38.23,88.17 38.38,88.32 38.38,88.82 39.11,89.55 39.9,89.55 40.3,89.15 40.3,87.83 40.42,87.71 v1(40.95,87.71)
  BC1 w0.05: v1(40.95,87.71) 40.48,88.18 33.75,88.18 33.52,87.95 31.93,87.95 31.47,87.49 v11(31.47,86.39)
  BC2 w0.05: v11(31.47,86.39) 31.52,86.34 U23.E6
LCD_O_G3: length 15.5
  FC2 w0.05: v1(33.49,91.5) 33.44,91.45 30.61,91.45 30.39,91.23 REF**#312.5
  BC1 w0.05: v11(28.99,86.4) 28.45,86.94 28.18,86.94 27.78,87.34 27.78,89.18 28.44,89.84 v11(33.36,89.84)
  BC2 w0.05: v1(33.49,91.5) 33.42,91.43 33.42,89.9 v11(33.36,89.84) ; U23.C6 28.98,86.39 v11(28.99,86.4)
LCD_O_G4: length 15.3
  FC1 w0.05: v2(31.19,90.52) 29.41,90.52 29.19,90.74 28.79,90.74 28.06,91.47 26.04,91.47 25.01,90.44 23.3,90.44 23.16,90.3 23.16,89.77 v1(23.18,89.75)
  BC1 w0.05: v1(23.18,89.75) 23.58,89.35 v11(23.58,87.01)
  BC2 w0.05: U23.A5 23.64,87.07 v11(23.58,87.01)
LCD_O_R0: length 18.1
  FC1 w0.05: v2(32.01,90.52) 31.43,89.94 29.55,89.94 28.93,89.32 28.93,88.69 28.48,88.24 28.23,88.24 27.22,87.23 25.04,87.23 24.46,86.65 24.46,84.75 24.92,84.29 v1(24.92,83.73)
  BC1 w0.05: v11(27.01,87.02) 26.03,87.02 25.06,86.05 25.06,84.45 24.92,84.31 v1(24.92,83.73)
  BC2 w0.05: U23.B5 27.06,87.07 v11(27.01,87.02)
LCD_O_R1: length 11.2
  FC2 w0.05: REF**#312.8 32.79,89.25 v2(33.23,88.8)
  FC1 w0.05: v1(34.72,86.38) 34.09,87.01 34.09,87.94 v2(33.23,88.8)
  BC1 w0.05: v11(30.84,85.6) 31.35,85.6 32.33,84.62 33.91,84.62 34.22,84.93 34.22,85.85 34.72,86.35 v1(34.72,86.38)
  BC2 w0.05: v11(30.84,85.6) 30.64,85.8 U23.D6
LCD_O_R2: length 14.4
  FC2 w0.05: v2(38.05,88.48) 38,88.43 27.76,88.43 v1(27.2,88.99)
  FC1 w0.05: v2(38.05,88.48) 38.05,90.49 v2(38.02,90.52)
  BC2 w0.05: v1(27.2,88.99) 27.02,88.81 26.55,88.81 26.44,88.7 U23.A4
LCD_O_R3: length 15.3
  FC1 w0.05: v2(38.82,90.52) 38.48,90.85 35.58,90.85 35.3,90.57 35.3,90.31 34.54,89.55 31.46,89.55 30.99,89.08 30.99,86.97 30.4,86.38 29.15,86.38 29.1,86.33 v1(28.24,86.33)
  BC2 w0.05: U23.C5 28.51,87.07 28.24,86.8 v1(28.24,86.33)
LCD_O_R4: length 35.5
  FC1 w0.05: v2(39.64,90.52) 39.08,91.08 28.83,91.08 26.6,93.31 25.57,93.31 24.55,92.29 22.24,92.29 20.31,94.22 v1(19.68,94.22)
  BC1 w0.05: v11(23.13,90.32) 23.12,90.31 v11(21.99,90.31)
  BC2 w0.05: U23.B4 27.71,87.98 27.47,87.74 26.25,87.74 25.82,88.17 25.82,89.06 25.46,89.42 25.33,89.42 24.44,90.31 23.14,90.31 v11(23.13,90.32) ; v11(21.99,90.31) 21.34,90.96 21.34,92.62 21.12,92.84 20.16,92.84 19.68,93.32 v1(19.68,94.22)
LCD_R0: length 9.2
  FC2 w0.5: v1(29.41,96.91) J3.14
  FC1 w0.05: v2(31.98,92.37) 31.28,92.37 30.73,92.92 29.9,92.92 29.41,93.41 v1(29.41,96.91)
  BC2 w0.5: v1(29.41,96.91) REF**#784.1
LCD_R1: length 6.6
  FC2 w0.05: v1(29.93,94.11) 29.91,94.13
  FC2 w0.5: 29.91,94.13 J3.15
  FC1 w0.05: v1(29.93,94.11) 29.93,93.33 30.18,93.08 31.4,93.08 31.73,92.76 32.16,92.76 32.54,92.37 v2(32.79,92.37)
  BC2 w0.5: v1(29.93,94.11) 30.02,94.2 REF**#773.1
LCD_R2: length 9.2
  FC2 w0.05: v1(32.98,93.78) 32.96,93.8
  FC2 w0.08: REF**#390.4 38.02,93.04 37.83,93.22 33.99,93.22 33.43,93.78 v1(32.98,93.78)
  FC2 w0.5: 32.96,93.8 J3.21
  BC2 w0.05: v1(32.98,93.78) 32.99,93.79
  BC2 w0.5: 32.99,93.79 REF**#540.1
LCD_R3: length 11.2
  FC2 w0.5: 33.46,96.91 33.45,96.92 33.45,98.43 J3.22
  FC1 w0.05: v1(33.48,96.89) 34.41,95.96 34.41,93.86 34.8,93.47 36.56,93.47 37.66,92.37 v2(38.82,92.37)
  BC2 w0.05: v1(33.48,96.89) 33.49,96.9
  BC2 w0.5: 33.49,96.9 REF**#737.1
LCD_R4: length 9.3
  FC2 w0.08: v1(33.99,94.11) 34.68,93.43 39.28,93.43 39.62,93.09 REF**#390.2
  FC2 w0.5: v1(33.99,94.11) 33.96,94.14 J3.23
  BC2 w0.5: v1(33.99,94.11) REF**#660.1
LCD_VAA: length 8.2
  FC2 w0.4: 23.91,96.29 J3.3
  FC2 w0.5: v1(22.73,97.1) 23.28,97.1 23.57,96.81 23.57,96.63 23.91,96.29
  BC2 w0.5: v1(22.73,97.1) 22.73,96.6 22.08,95.95 REF**#518.1 21.58,95.39 21.32,95.13 REF**#598.1 19.6,95.13 19.52,95.2 REF**#751.1
LCD_VD3: length 7.3
  FC2 w0.05: v1(21.2,99.84) 21.21,99.85
  FC2 w0.5: 21.21,99.85 23.05,99.85 23.41,99.49 J3.2
  BC2 w0.05: 20.53,99.17 REF**#649.2
  BC2 w0.4: REF**#690.1 19.22,98.44 19.89,99.11 20.45,99.11 REF**#649.2
  BC2 w0.5: v1(21.2,99.84) 20.53,99.17
LCD_VDD: length 10.3
  FC2 w0.5: J3.4 24.41,97.6 24.19,97.38 v1(24.19,97.04)
  BC2 w0.08: 22.57,93.53 REF**#702.1
  BC2 w0.3: REF**#658.1 22.01,98.06 22.42,97.65 23.58,97.65 v1(24.19,97.04)
  BC2 w0.5: v1(24.19,97.04) 23.88,96.73 REF**#764.2 23.36,96.09 23.02,95.75 23.02,94.85 22.56,94.39 REF**#702.1 ; 22.57,93.53 22.57,92.93 22.39,92.75 REF**#659.1
